# Altium PCB MIC.PcbDoc
Units mil, origin at the board's own origin, x right, y up, seen from the top; angles counter-clockwise.
Board outline 3700.69 x 3925.26 mil, 2 copper layers (Top Layer, Bottom Layer); 43 components, 43 nets, 184 pads, 288 vias.
Unrouted connection lines stored in the file: 18.
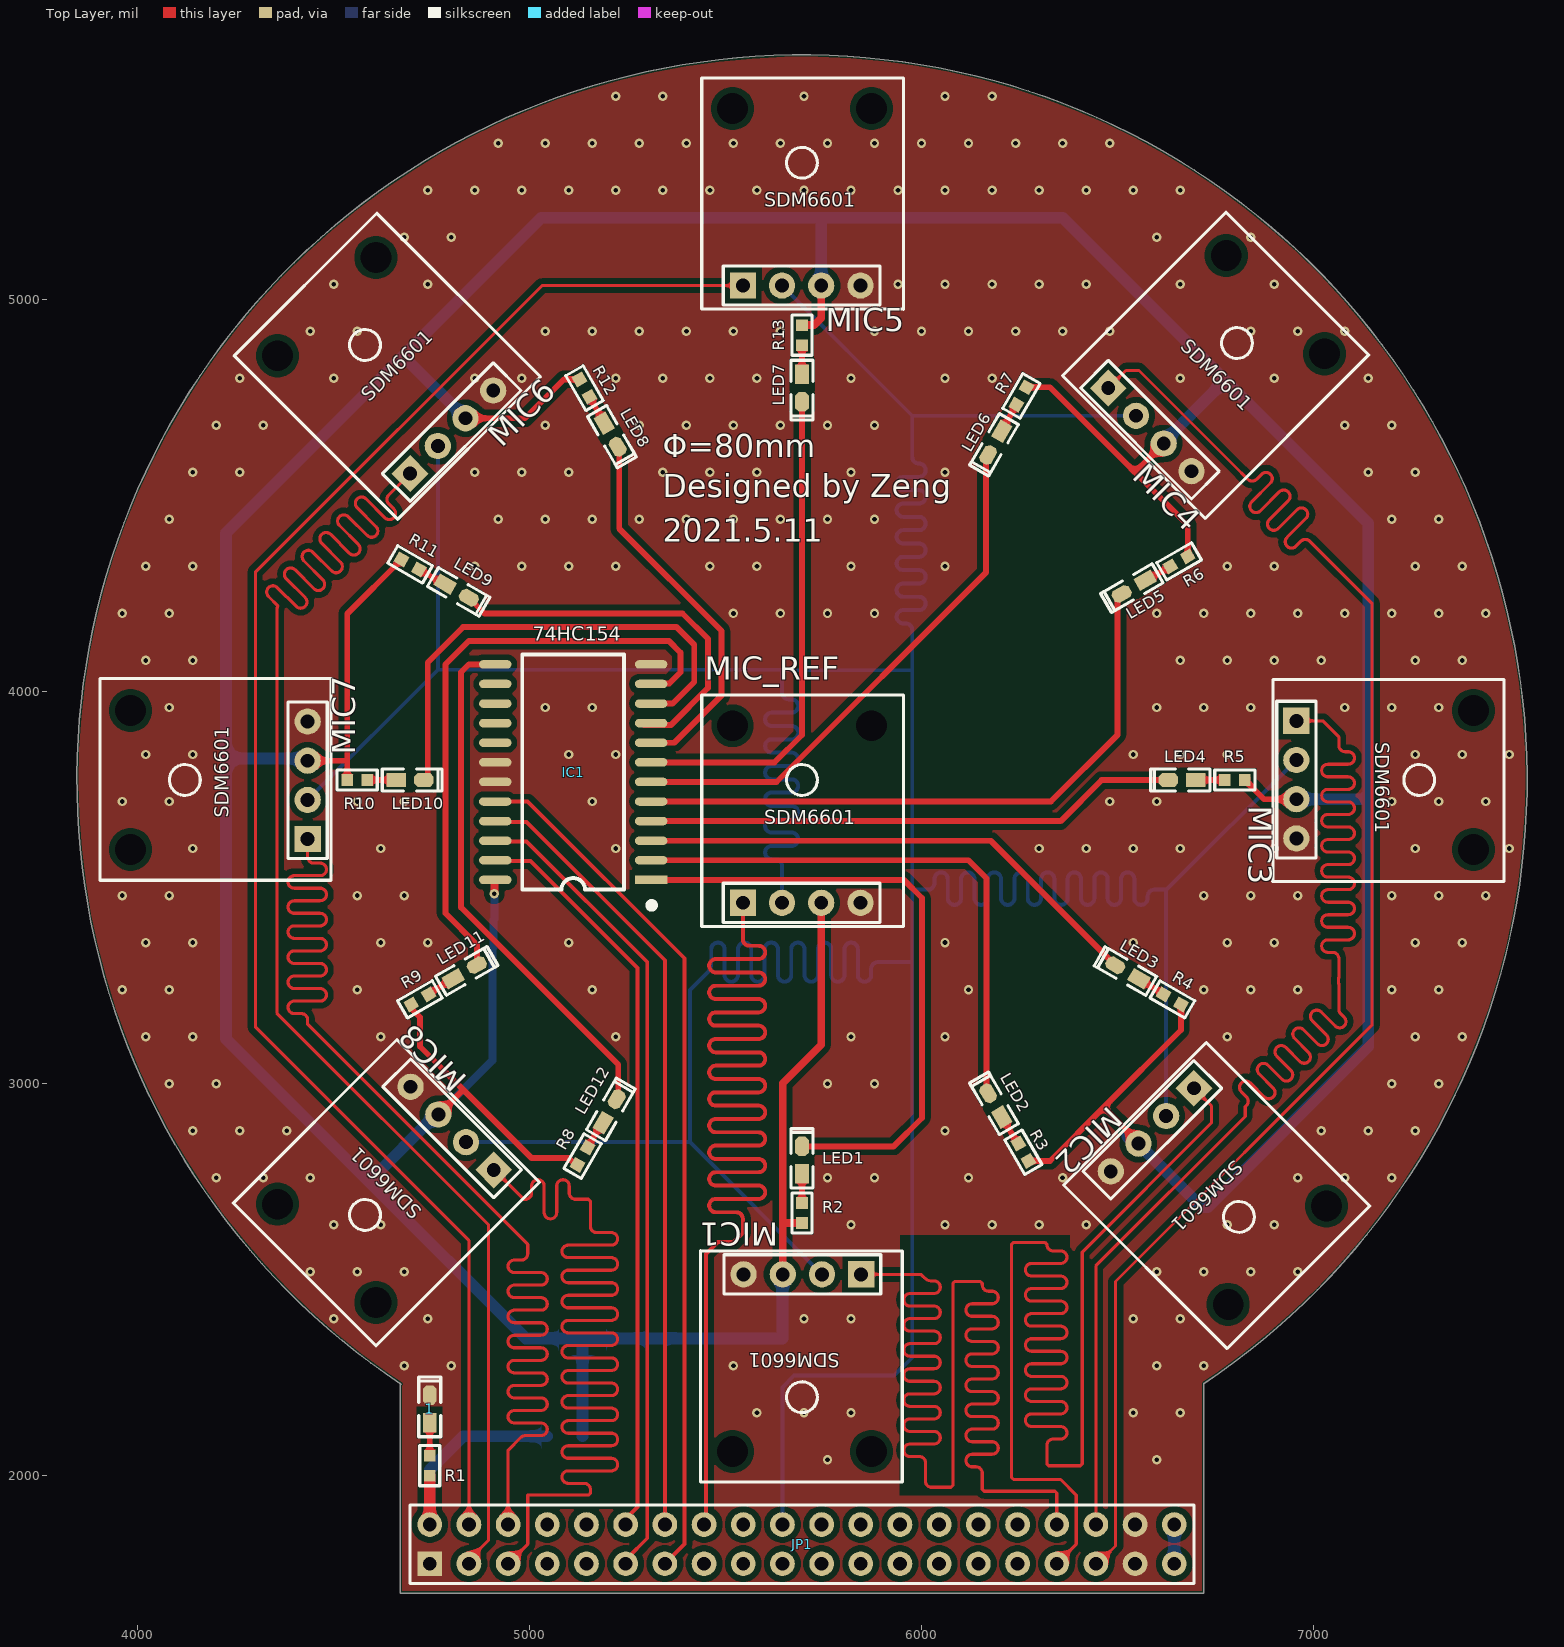
[diagram p0: Top Layer view]
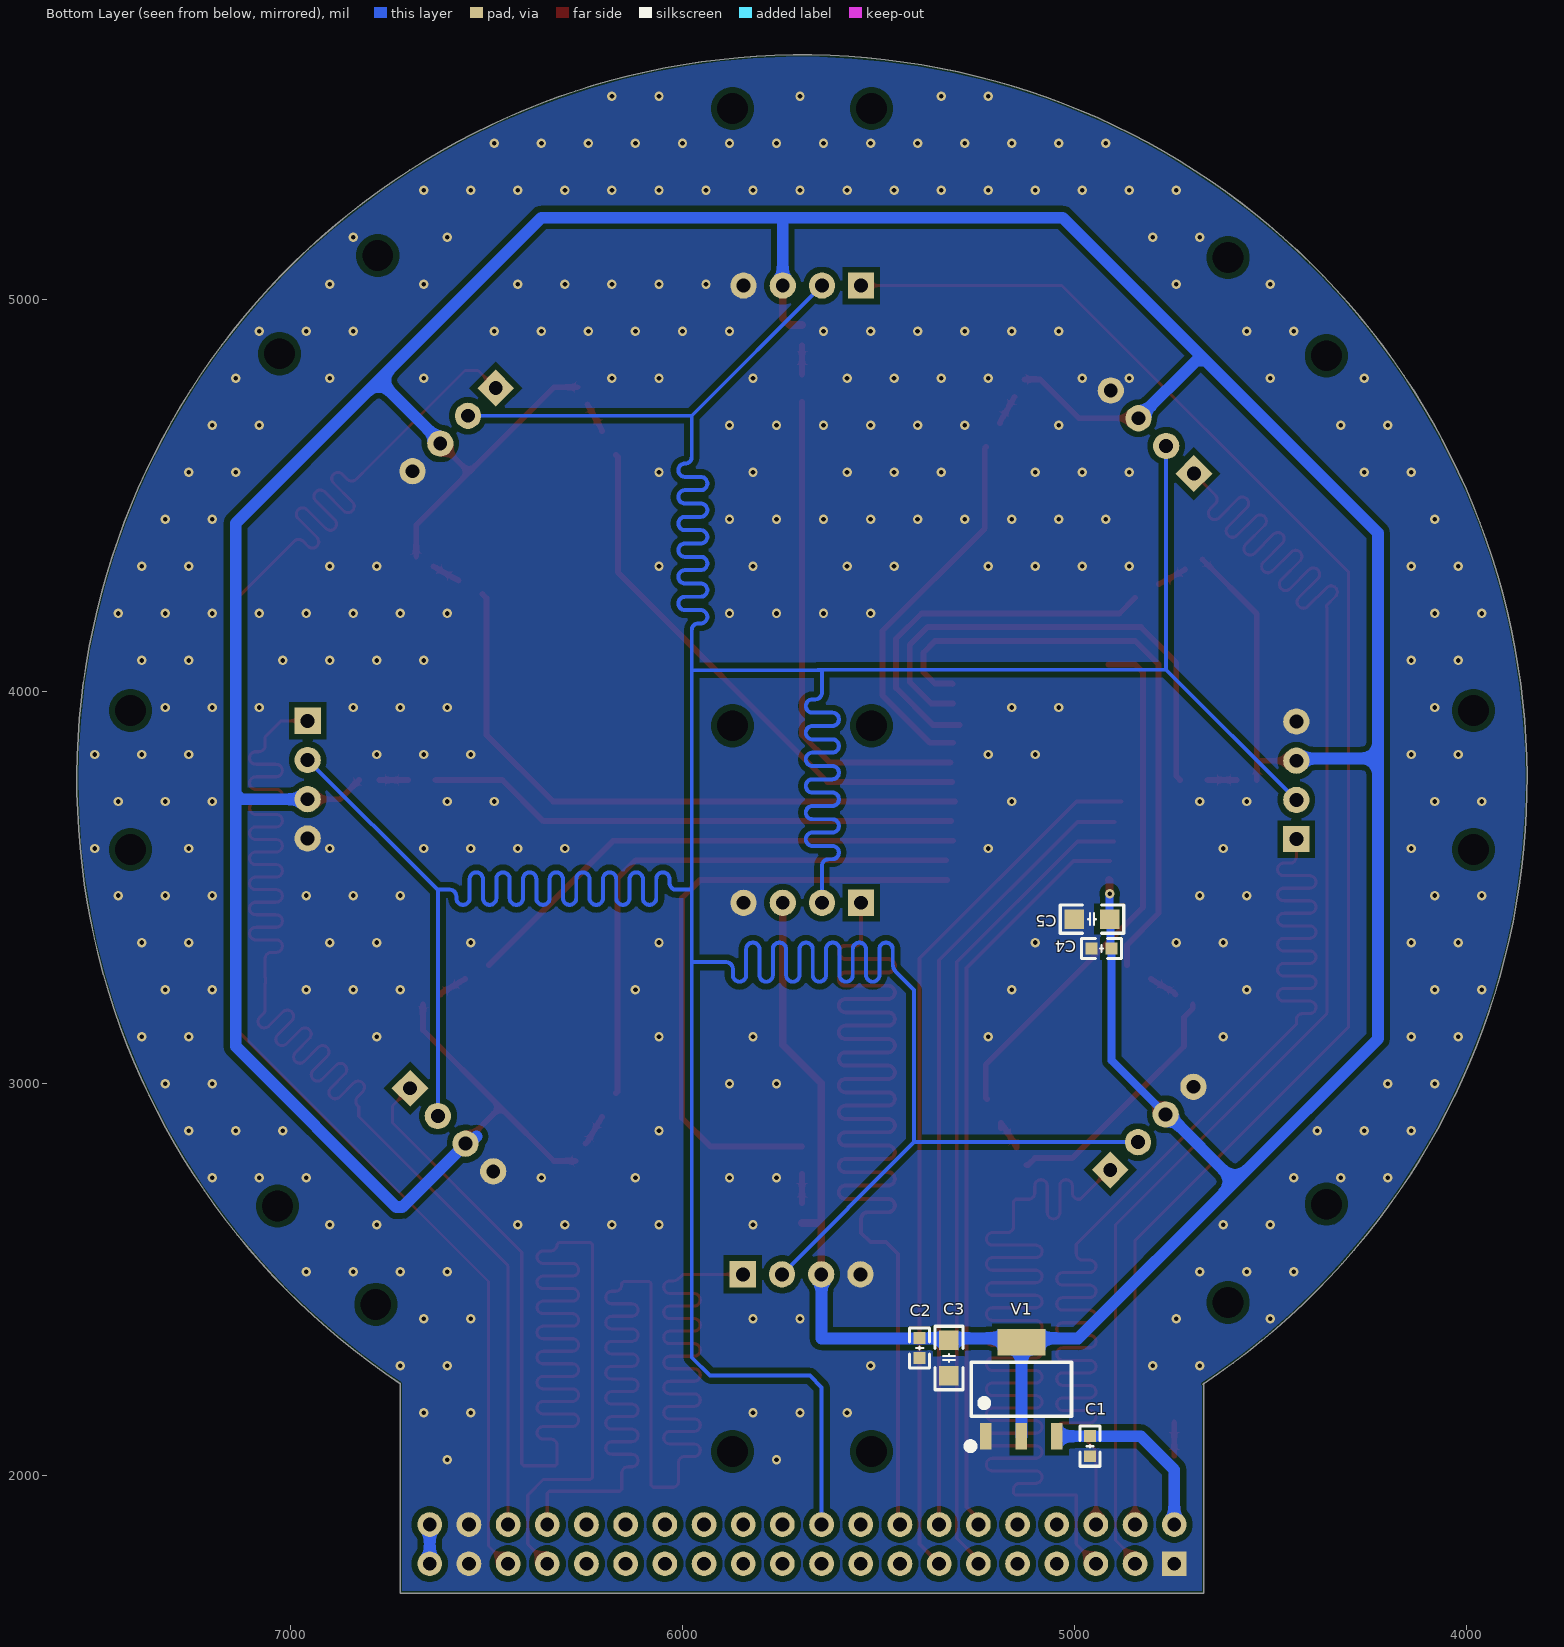
[diagram p1: Bottom Layer view, seen from below]

## Layer stack, top to bottom
Top Solder: solder mask 0.4, Solder Resist, Dk 3.5
Top Layer: signal copper 1.4
Dielectric 1: dielectric 12.6, FR-4, Dk 4.8
Bottom Layer: signal copper 1.4
Bottom Solder: solder mask 0.4, Solder Resist, Dk 3.5

## Board outline
4670,1700 6720,1700 6720,2235 6720.26,2234.61 ccw(c5695,3775) 4672.08,2233.06 4670,2235

## Design rules (kind name [scope] priority, off if disabled: settings)
BoardOutlineClearance [All] p1: gap=5 ignorepadtopadclearanceinfootprint=FALSE
Clearance Clearance_2 [InNamedPolygon('24V_L02_P042')] p1: gap=20 ignorepadtopadclearanceinfootprint=FALSE
Clearance Clearance_1 [InNamedPolygon('24V_L02_P042')] p2: gap=10 ignorepadtopadclearanceinfootprint=FALSE except(0: Arc-Hole Track-Hole SMDPad-Hole THPad-Hole Via-Hole Fill-Hole Poly-Hole Region-Hole Text-Hole)
Clearance Clearance_keepoutlayer [(InLayerClass('Signal Layers')) vs (OnLayer('Keep-Out Layer'))] p3: gap=10 ignorepadtopadclearanceinfootprint=FALSE
Clearance Clearance_inpolygon [InPolygon] p4: gap=15 ignorepadtopadclearanceinfootprint=FALSE
Clearance [All] p5: gap=5.5 ignorepadtopadclearanceinfootprint=FALSE
ComponentClearance [All] p1: gap=0 collisioncheckmode=3 verticalgap=0 showdistances=FALSE
HoleSize [All] p1: absolutevalues=TRUE maxlimit=1000 minlimit=1 maxpercent=80.000 minpercent=20.000
HoleToHoleClearance [All] p1: gap=6 allowstackedmicrovias=TRUE
MinimumSolderMaskSliver [All] p1: minsoldermaskwidth=0
PlaneClearance [All] p1: clearance=6
PlaneConnect [All] p1: planeconnectstyle=Direct reliefexpansion=20 reliefentries=4 reliefconductorwidth=10 reliefairgap=10
PolygonConnect [All] p1: connectstyle=Direct reliefconductorwidth=10 reliefentries=4 polygonreliefangle="90 Angle" airgapwidth=10
RoutingVias [All] p1: holewidth=12 width=24 viastyle="Through Hole" minholewidth=11 minwidth=22 maxholewidth=24 maxwidth=40
SilkToSilkClearance [All] p1: silktosilkclearance=1
SilkToSolderMaskClearance [IsPad] p1: minsilkscreentomaskgap=0 clearancetoexposedcopper=TRUE
SolderMaskExpansion [All] p1: expansion=4 istentingtop=FALSE
Width Width_GND [InNet('GND')] p1: maxlimit=100 minlimit=10 preferedwidth=30
Width Width_power [InNetClass('pwr')] p2: maxlimit=100 minlimit=10 preferedwidth=20
Width [All] p3: maxlimit=100 minlimit=6 preferedwidth=10
22 further rules are at their usual default settings.

## Components (designator, comment, footprint, x,y, rotation, side; value= is the part's Value field where it differs from the comment)
1 "蓝色" "LED 0603B" 4745.26,2170 r90 top
C1 "104" "C 0603_L" 4960,2075 r270 bottom
C2 "104" "C 0603_L" 5395,2325.59 r270 bottom
C3 "106" "C 0805_M" 5320,2300 r270 bottom
C4 "104" "C 0603_L" 4930.59,3345 r0 bottom
C5 "106" "C 0805_M" 4955,3420 r0 bottom
IC1 "74HC154" SOP24_N 5111.18,3795 r180 top
JP1 "Header 2X11" HDR2.54-LI-2x20P 5695,1825 r0 top
LED1 "蓝色" "LED 0603B" 5695.26,2805 r90 top
LED2 "蓝色" "LED 0603B" 6187.72,2945.43 r120 top
LED3 "蓝色" "LED 0603B" 6524.82,3285 r150 top
LED4 "蓝色" "LED 0603B" 6665,3775 r180 top
LED5 "蓝色" "LED 0603B" 6540.87,4267.13 r210 top
LED6 "蓝色" "LED 0603B" 6187.28,4634.82 r240 top
LED7 "蓝色" "LED 0603B" 5694.74,4775 r270 top
LED8 "蓝色" "LED 0603B" 5207.28,4655.19 r300 top
LED9 "蓝色" "LED 0603B" 4814.56,4257.28 r330 top
LED10 "蓝色" "LED 0603B" 4695,3774.74 r0 top
LED11 "蓝色" "LED 0603B" 4835.18,3285 r30 top
LED12 "蓝色" "LED 0603B" 5205,2930 r60 top
MIC1 "mic" SDM6601 5695,2200 r180 top
MIC2 "mic" SDM6601 6810,2660 r225 top
MIC3 "mic" SDM6601 7270,3775 r270 top
MIC4 "mic" SDM6601 6805,4890 r315 top
MIC5 "mic" SDM6601 5695,5350 r0 top
MIC6 "mic" SDM6601 4580,4885 r45 top
MIC7 "mic" SDM6601 4120,3775 r90 top
MIC8 "mic" SDM6601 4580,2665 r135 top
MIC_REF "mic" SDM6601 5695,3775 r0 top
R1 "1K" "R 0603_L" 4745,2025 r90 top
R2 "1K" "R 0603_L" 5695,2670 r90 top
R3 "1K" "R 0603_L" 6260,2825 r120 top
R4 "1K" "R 0603_L" 6640,3215 r150 top
R5 "1K" "R 0603_L" 6799.41,3775 r180 top
R6 "1K" "R 0603_L" 6657.16,4332.8 r210 top
R7 "1K" "R 0603_L" 6255,4755 r240 top
R8 "1K" "R 0603_L" 5135,2815 r60 top
R9 "1K" "R 0603_L" 4720,3215 r30 top
R10 "1K" "R 0603_L" 4560,3775 r0 top
R11 "1K" "R 0603_L" 4695,4325 r330 top
R12 "1K" "R 0603_L" 5140,4775 r300 top
R13 "1K" "R 0603_L" 5695,4910 r270 top
V1 "AMS1117-3V3" SOT223_L 5135,2220 r180 bottom

## Footprints (in the part's own frame and the unit in brackets; to place one, negate y for a bottom-side part, rotate by r counter-clockwise, add the part's x,y. Pads: shape width x height; smd on the part's side, far side on the other; paste and mask are expansions set on the pad)
"C 0603_L" [mil] "无极性贴片电容"
  rect 30x30 smd: 1(-25.59,0) 2(25.59,0)
  silkscreen extent -51,-26 51,26, body extent -31,-16 31,16, height 32
"C 0805_M" [mil] "无极性贴片电容"
  rect 50x50 smd: 1(-45,0) 2(45,0)
  silkscreen extent -81,-36 81,36, body extent -39,-24 39,24, height 20
HDR2.54-LI-2x20P [mm] "双排排针，20x2脚"
  rect 1.6x1.6 hole 0.9: 1(-24.13,-1.27)
  round 1.6 hole 0.9: 2(-24.13,1.27) 3(-21.59,-1.27) 4(-21.59,1.27) 5(-19.05,-1.27) 6(-19.05,1.27) 7(-16.51,-1.27) 8(-16.51,1.27) 9(-13.97,-1.27) 10(-13.97,1.27) 11(-11.43,-1.27) 12(-11.43,1.27) 13(-8.89,-1.27) 14(-8.89,1.27) 15(-6.35,-1.27) 16(-6.35,1.27) 17(-3.81,-1.27) 18(-3.81,1.27) 19(-1.27,-1.27) 20(-1.27,1.27) 21(1.27,-1.27) 22(1.27,1.27) 23(3.81,-1.27) 24(3.81,1.27) 25(6.35,-1.27) 26(6.35,1.27) 27(8.89,-1.27) 28(8.89,1.27) 29(11.43,-1.27) 30(11.43,1.27) 31(13.97,-1.27) 32(13.97,1.27) 33(16.51,-1.27) 34(16.51,1.27) 35(19.05,-1.27) 36(19.05,1.27) 37(21.59,-1.27) 38(21.59,1.27) 39(24.13,-1.27) 40(24.13,1.27)
  silkscreen extent -25.4,-2.54 25.4,2.54, body extent -25.4,-2.54 25.4,2.54, height 8.5
"LED 0603B" [mil] "蓝色0603LED"
  rect 50x35 smd: 1(-35,0.26)
  oct 50x35 smd: 2(35,0.26)
  silkscreen extent -71,-28 81,28, body extent -31,-16 32,16, height 24
"R 0603_L" [mil] "1/10W贴片电阻"
  rect 30x30 smd: 1(-25.59,0) 2(25.59,0)
  silkscreen extent -51,-26 51,26, body extent -31,-16 32,16, height 16
SDM6601 [mm]
  round 1 hole 2: 0(-4.5,3.514) 0(4.5,3.514)
  rect 1.7x1.7 hole 0.9: 1(-3.833,-7.962)
  round 1.7 hole 0.9: 2(-1.293,-7.962) 3(1.247,-7.962) 4(3.787,-7.962)
  silkscreen extent -6.5,-9.5 6.58,5.5
SOP24_N [mm] "15.4*10.6*2.6mm（长宽高）"
  rect 2.1x0.55 smd: 1(-5.05,6.985)
  oval 2.1x0.55 smd: 2(-5.05,5.715) 3(-5.05,4.445) 4(-5.05,3.175) 5(-5.05,1.905) 6(-5.05,0.635) 7(-5.05,-0.635) 8(-5.05,-1.905) 9(-5.05,-3.175) 10(-5.05,-4.445) 11(-5.05,-5.715) 12(-5.05,-6.985) 13(5.05,-6.985) 14(5.05,-5.715) 15(5.05,-4.445) 16(5.05,-3.175) 17(5.05,-1.905) 18(5.05,-0.635) 19(5.05,0.635) 20(5.05,1.905) 21(5.05,3.175) 22(5.05,4.445) 23(5.05,5.715) 24(5.05,6.985)
  silkscreen extent -5.23,-7.62 3.3,8.79, body extent -5.15,-7.7 5.15,7.7, height 2.7
SOT223_L [mm] "6.4x7x1.6mm(长宽高)"
  rect 0.75x1.7 smd: 1(-2.3,-3.048) 2(0,-3.048) 3(2.3,-3.048)
  rect 3.1x1.7 smd: 2(0,3.048)
  silkscreen extent -3.5,-3.88 3.25,1.75, body extent -3.25,-3.51 3.25,3.51, height 1.65

## Part data
1 LED1 LED2 LED3 LED4 LED5 LED6 LED7 LED8 LED9 LED10 LED11 LED12: library part LED-SMD, "贴片LED", BOM名称=贴片LED, 学习资源=www.ooocke.com, 版权归属=源创客
C1 C2 C3 C4 C5: library part C, "无极性贴片电容", BOM名称=无极性贴片电容, 学习资源=www.ooocke.com, 版权归属=源创客
IC1: "4线转16线译码器", BOM名称=4线转16线译码器, 学习资源=www.ooocke.com, 版权归属=源创客
JP1: library part "Header 20X2", "20*2P接插件", BOM名称=20*2P接插件, 学习资源=www.ooocke.com, 版权归属=源创客
MIC1 MIC2 MIC3 MIC4 MIC5 MIC6 MIC7 MIC8 MIC_REF: library part SDM6601P
R1 R2 R3 R4 R5 R6 R7 R8 R9 R10 R11 R12 R13: library part R, "贴片电阻", BOM名称=贴片电阻, 学习资源=www.ooocke.com, 版权归属=源创客
V1: library part AMS1117, "三端稳压芯片", BOM名称=稳压芯片, 学习资源=www.ooocke.com, 版权归属=源创客

## Via types
v1: diameter 24, hole 12, Top Layer to Bottom Layer, tented both sides, 287 vias
v2: diameter 24, hole 12, Top Layer to Bottom Layer, 1 vias

## Nets (pads, with @x,y where several pads share a name; then routed paths per layer and width w, separated by ;. In a path a pad name is that pad's centre, name@x,y a point inside that pad or via, vN(x,y) a via of type N, cw(c..) or ccw(c..) an arc to the next point about the centre after c; other vN are vias at no path point)
3V3: C2.1 C3.1 C4.1 C5.1 IC1.24 MIC1.3 MIC2.3 MIC3.3 MIC4.3 MIC5.3 MIC6.3 MIC7.3 MIC8.3 MIC_REF.3 R2.1 R3.1 R4.1 R5.1 R6.1 R7.1 R8.1 R9.1 R10.1 R11.1 R12.1 R13.1 V1.2 | length 15716.3
  Top Layer w15: MIC7.3 4530,3824.09 ; R10.1 4534.41,4199.37 R11.1 ; R9.1 4697.84,3191.59 4720,3169.43 4720,3095 4830.28,2984.72 ; MIC8.3 4830.28,2984.72 ; MIC6.3 4988.06,4698.06 5087.16,4797.16 R12.1 ; R8.1 5117.6,2792.83 5100.43,2810 5005,2810 4830.28,2984.72 ; R7.1 6327.83,4777.17 6544.71,4560.29 ; R3.1 6327.84,2802.84 6465,2940 ; MIC2.3@6553.63,2851.37 6465,2940 ; MIC4.3 6544.71,4560.29 ; R4.1 6662.17,3137.17 6465,2940 ; R6.1 6679.33,4425.67 6544.71,4560.29 ; R5.1 6874.09,3725.91 6954.72,3725.91 6955.63,3725 MIC3.3
  Top Layer w20: v2(4910,3485) 4910,3519.24 4910.76,3520 IC1.24@4911.95,3520 ; MIC1.3 5645.91,2645 ; R2.1 5646.5,2644.41 5645.91,2645 ; R13.1 5725.59,4935.59 5744.09,4954.09 MIC5.3 ; MIC_REF.3 5744.09,3099.09 5645.91,3000.91 5645.91,2645
  Top Layer w30: MIC2.3 MIC2.3@6553.63,2851.37
  Bottom Layer w20: MIC8.3 4905,3059.43 C4.1 ; C4.1@4907.5,3347.5 4907.5,3417.5 C5.1 v2(4910,3485)
  Bottom Layer w30: MIC7.3 4427.56,3830 4225,3830 ; MIC8.3 4761.37,2921.37 4590,2750 ; MIC6.3 4689.43,4845 4665,4845 ; V1.2@5135,2100 5135,2340 V1.2@5135,2345 ; MIC1.3 5645,2512.56 5645,2350 4990,2350 4590,2750 ; MIC5.3 5744.09,5200.91 5735,5210 ; MIC2.3@6525.58,2865 6543.64,2846.94 MIC2.3 6715.57,2685 6730,2685 7140,3095 7140,3740 ; MIC4.3 6618.06,4638.06 6775,4795 ; MIC3.3 7125.91,3725.91 7140,3740 ; 4225,3830 4225,4405 4665,4845 ; 4225,3830 4225,3115 4590,2750 ; 4665,4845 5030,5210 5735,5210 ; 5735,5210 6360,5210 6775,4795 ; 6775,4795 7140,4430 7140,3740
3V3_I: JP1.39 JP1.40 | length 100
  Bottom Layer w30: JP1.39 JP1.40
5V: C1.1 JP1.2 R1.1 V1.3 | length 594.2
  Top Layer w30: JP1.2 R1.1
  Bottom Layer w30: JP1.2 4750,1880 4745,1885 4745,2015 4830,2100 4935.6,2100 ; 4944.41,2100 V1.3@5044.21,2100
A0: IC1.23 JP1.12 | length 1903.8
  Top Layer w10: IC1.23@4908.4,3567.77 5002.23,3567.77 5275,3295 5275,1919.34 JP1.12@5240.66,1885
A1: IC1.22 JP1.11 | length 2070.1
  Top Layer w10: IC1.22@4898.13,3617.77 4992.23,3617.77 5300,3310 5300,1894.25 5300,1840 JP1.11@5250,1790
A2: IC1.21 JP1.14 | length 2033.3
  Top Layer w10: IC1.21@4897.81,3667.8 4992.2,3667.8 5345,3315 JP1.14
A3: IC1.20 JP1.13 | length 2247.1
  Top Layer w10: IC1.20@4879.27,3720 4995,3720 5395,3320 5395,1825 JP1.13
CLK: JP1.20 MIC1.2 MIC2.2 MIC3.2 MIC4.2 MIC5.2 MIC6.2 MIC7.2 MIC8.2 MIC_REF.2 | length 14370.1
  Bottom Layer w10: MIC7.2 4765.66,4056.29 ; MIC6.2 4765.66,4056.29 ; MIC8.2 5408.71,2850.66 ; MIC_REF.2 5644.09,3550.72 5644.09,3555.72 ccw(c5627.09,3555.72) 5627.09,3572.72 5617.88,3572.72 cw(c5617.88,3589.72) 5617.88,3606.72 5668.45,3606.72 ccw(c5668.45,3623.72) 5668.45,3640.72 5617.88,3640.72 cw(c5617.88,3657.72) 5617.88,3674.72 5668.45,3674.72 ccw(c5668.45,3691.72) 5668.45,3708.72 5617.88,3708.72 cw(c5617.88,3725.72) 5617.88,3742.72 5668.45,3742.72 ccw(c5668.45,3759.72) 5668.45,3776.72 5617.88,3776.72 cw(c5617.88,3793.72) 5617.88,3810.72 5668.45,3810.72 ccw(c5668.45,3827.72) 5668.45,3844.72 5617.88,3844.72 cw(c5617.88,3861.72) 5617.88,3878.72 5668.45,3878.72 ccw(c5668.45,3895.72) 5668.45,3912.72 5617.88,3912.72 cw(c5617.88,3929.72) 5617.88,3946.72 5668.45,3946.72 ccw(c5668.45,3963.72) 5668.45,3980.72 5661.09,3980.72 cw(c5661.09,3997.72) 5644.09,3997.72 5644.09,4021.17 5644.09,4055 5655,4055 ; MIC5.2 5976.29,4704.34 ; JP1.20 5645,2225 5675,2255 5930,2255 5976.29,2301.29 5976.29,3310 ; MIC1.2 5408.71,2850.66 ; MIC4.2 5976.29,4704.34 ; MIC2.2 6624.34,3493.71 6625.63,3495 ; MIC3.2 6625.63,3495 ; 4765.66,4056.29 5653.71,4056.29 5655,4055 ; 5408.71,2850.66 5408.71,3238.71 5450,3280 5455,3285 ccw(c5434.48,3305.52) 5463.5,3305.52 5463.5,3343 cw(c5480.5,3343) 5497.5,3343 5497.5,3277 ccw(c5514.5,3277) 5531.5,3277 5531.5,3343 cw(c5548.5,3343) 5565.5,3343 5565.5,3277 ccw(c5582.5,3277) 5599.5,3277 5599.5,3343 cw(c5616.5,3343) 5633.5,3343 5633.5,3277 ccw(c5650.5,3277) 5667.5,3277 5667.5,3343 cw(c5684.5,3343) 5701.5,3343 5701.5,3277 ccw(c5718.5,3277) 5735.5,3277 5735.5,3343 cw(c5752.5,3343) 5769.5,3343 5769.5,3277 ccw(c5786.5,3277) 5803.5,3277 5803.5,3343 cw(c5820.5,3343) 5837.5,3343 5837.5,3277 ccw(c5854.5,3277) 5871.5,3277 5871.5,3293 cw(c5888.5,3293) 5888.5,3310 5925,3310 5976.29,3310 ; 5655,4055 5975,4055 5976.29,4056.29 ; 5976.29,3310 5976.29,3495 ; 5976.29,3495 6011.03,3495 6016.03,3495 ccw(c6016.03,3512) 6033.03,3512 6033.03,3522.1 cw(c6050.03,3522.1) 6067.03,3522.1 6067.03,3473.29 ccw(c6084.03,3473.29) 6101.03,3473.29 6101.03,3522.1 cw(c6118.03,3522.1) 6135.03,3522.1 6135.03,3473.29 ccw(c6152.03,3473.29) 6169.03,3473.29 6169.03,3522.1 cw(c6186.03,3522.1) 6203.03,3522.1 6203.03,3473.29 ccw(c6220.03,3473.29) 6237.03,3473.29 6237.03,3522.1 cw(c6254.03,3522.1) 6271.03,3522.1 6271.03,3473.29 ccw(c6288.03,3473.29) 6305.03,3473.29 6305.03,3522.1 cw(c6322.03,3522.1) 6339.03,3522.1 6339.03,3473.29 ccw(c6356.03,3473.29) 6373.03,3473.29 6373.03,3522.1 cw(c6390.03,3522.1) 6407.03,3522.1 6407.03,3473.29 ccw(c6424.03,3473.29) 6441.03,3473.29 6441.03,3522.1 cw(c6458.03,3522.1) 6475.03,3522.1 6475.03,3473.29 ccw(c6492.03,3473.29) 6509.03,3473.29 6509.03,3522.1 cw(c6526.03,3522.1) 6543.03,3522.1 6543.03,3473.29 ccw(c6560.03,3473.29) 6577.03,3473.29 6577.03,3478 cw(c6594.03,3478) 6594.03,3495 6625,3495 6625.63,3495 ; 5976.29,3495 5976.29,4056.29 ; 5976.29,4056.29 5976.29,4152.45 5976.29,4157.45 ccw(c5959.29,4157.45) 5959.29,4174.45 5953.52,4174.45 cw(c5953.52,4191.45) 5953.52,4208.45 5993.66,4208.45 ccw(c5993.66,4225.45) 5993.66,4242.45 5953.52,4242.45 cw(c5953.52,4259.45) 5953.52,4276.45 5993.66,4276.45 ccw(c5993.66,4293.45) 5993.66,4310.45 5953.52,4310.45 cw(c5953.52,4327.45) 5953.52,4344.45 5993.66,4344.45 ccw(c5993.66,4361.45) 5993.66,4378.45 5953.52,4378.45 cw(c5953.52,4395.45) 5953.52,4412.45 5993.66,4412.45 ccw(c5993.66,4429.45) 5993.66,4446.45 5953.52,4446.45 cw(c5953.52,4463.45) 5953.52,4480.45 5993.66,4480.45 ccw(c5993.66,4497.45) 5993.66,4514.45 5953.52,4514.45 cw(c5953.52,4531.45) 5953.52,4548.45 5993.66,4548.45 ccw(c5993.66,4565.45) 5993.66,4582.45 5993.29,4582.45 cw(c5993.29,4599.45) 5976.29,4599.45 5976.29,4645.94 5976.29,4704.34
DATA1: JP1.34 MIC1.1 | length 4217.9
  Top Layer w8: MIC1.1 5998.46,2513.46 6003.44,2508.49 6007.44,2504.49 ccw(c6026.75,2523.8) 6026.75,2496.49 6031.95,2496.49 cw(c6031.95,2480.49) 6031.95,2464.49 5970.52,2464.49 ccw(c5970.52,2448.49) 5970.52,2432.49 6031.95,2432.49 cw(c6031.95,2416.49) 6031.95,2400.49 5970.52,2400.49 ccw(c5970.52,2384.49) 5970.52,2368.49 6031.95,2368.49 cw(c6031.95,2352.49) 6031.95,2336.49 5970.52,2336.49 ccw(c5970.52,2320.49) 5970.52,2304.49 6031.95,2304.49 cw(c6031.95,2288.49) 6031.95,2272.49 5970.52,2272.49 ccw(c5970.52,2256.49) 5970.52,2240.49 6031.95,2240.49 cw(c6031.95,2224.49) 6031.95,2208.49 5970.52,2208.49 ccw(c5970.52,2192.49) 5970.52,2176.49 6031.95,2176.49 cw(c6031.95,2160.49) 6031.95,2144.49 5970.52,2144.49 ccw(c5970.52,2128.49) 5970.52,2112.49 6031.95,2112.49 cw(c6031.95,2096.49) 6031.95,2080.49 5970.52,2080.49 ccw(c5970.52,2064.49) 5970.52,2048.49 5994.18,2048.49 cw(c5994.18,2032.49) 6010.18,2032.49 6010.18,1985 ccw(c6025.18,1985) 6010.8,1980.72 ccw(c6025.18,1985) 6025.18,1970 6075.31,1970 6080,1974.69 6080,2490.31 6084.69,2495 6150.31,2495 6155,2490.31 6155,2486.31 ccw(c6171,2486.31) 6171,2470.31 6179.9,2470.31 cw(c6179.9,2454.31) 6179.9,2438.31 6129.14,2438.31 ccw(c6129.14,2422.31) 6129.14,2406.31 6179.9,2406.31 cw(c6179.9,2390.31) 6179.9,2374.31 6129.14,2374.31 ccw(c6129.14,2358.31) 6129.14,2342.31 6179.9,2342.31 cw(c6179.9,2326.31) 6179.9,2310.31 6129.14,2310.31 ccw(c6129.14,2294.31) 6129.14,2278.31 6179.9,2278.31 cw(c6179.9,2262.31) 6179.9,2246.31 6129.14,2246.31 ccw(c6129.14,2230.31) 6129.14,2214.31 6179.9,2214.31 cw(c6179.9,2198.31) 6179.9,2182.31 6129.14,2182.31 ccw(c6129.14,2166.31) 6129.14,2150.31 6179.9,2150.31 cw(c6179.9,2134.31) 6179.9,2118.31 6129.14,2118.31 ccw(c6129.14,2102.31) 6129.14,2086.31 6179.9,2086.31 cw(c6179.9,2070.31) 6179.9,2054.31 6129.14,2054.31 ccw(c6129.14,2038.31) 6129.14,2022.31 6139,2022.31 cw(c6139,2006.31) 6155,2006.31 6155,1985 6155,1964.69 6159.69,1960 6340.31,1960 6345,1955.31 JP1.34
DATA2: JP1.33 MIC2.1 | length 4203.5
  Top Layer w8: JP1.33 6395,1825 6395,1950 6355,1990 6234.69,1990 6230,1994.69 6230,2590.31 6234.69,2595 6315.31,2595 6317.18,2593.13 6320,2590.31 6320,2589.13 ccw(c6336,2589.13) 6336,2573.13 6355,2573.13 cw(c6355,2557.13) 6355,2541.13 6281,2541.13 ccw(c6281,2525.13) 6281,2509.13 6355,2509.13 cw(c6355,2493.13) 6355,2477.13 6281,2477.13 ccw(c6281,2461.13) 6281,2445.13 6355,2445.13 cw(c6355,2429.13) 6355,2413.13 6281,2413.13 ccw(c6281,2397.13) 6281,2381.13 6355,2381.13 cw(c6355,2365.13) 6355,2349.13 6281,2349.13 ccw(c6281,2333.13) 6281,2317.13 6355,2317.13 cw(c6355,2301.13) 6355,2285.13 6281,2285.13 ccw(c6281,2269.13) 6281,2253.13 6355,2253.13 cw(c6355,2237.13) 6355,2221.13 6281,2221.13 ccw(c6281,2205.13) 6281,2189.13 6355,2189.13 cw(c6355,2173.13) 6355,2157.13 6281,2157.13 ccw(c6281,2141.13) 6281,2125.13 6355,2125.13 cw(c6355,2109.13) 6355,2093.13 6336,2093.13 ccw(c6336,2077.13) 6320,2077.13 6320,2030 6320,2029.69 6324.69,2025 6405.31,2025 6410,2029.69 6410,2570 6740,2900 6740,2943.41 MIC2.1
DATA3: JP1.36 MIC3.1 | length 4181.7
  Top Layer w8: JP1.36 6445,2535 6826.16,2916.16 6826.16,2941.16 6828.99,2943.99 ccw(c6817.67,2955.3) 6828.99,2966.62 6816.26,2979.34 cw(c6827.57,2990.66) 6816.26,3001.97 cw(c6827.57,2990.66) 6838.89,3001.97 6874.74,2966.12 ccw(c6886.06,2977.43) 6897.37,2966.12 ccw(c6886.06,2977.43) 6897.37,2988.74 6861.52,3024.6 cw(c6872.83,3035.91) 6861.52,3047.23 cw(c6872.83,3035.91) 6884.14,3047.23 6920,3011.37 ccw(c6931.31,3022.68) 6942.63,3011.37 ccw(c6931.31,3022.68) 6942.63,3034 6906.77,3069.85 cw(c6918.08,3081.17) 6906.77,3092.48 cw(c6918.08,3081.17) 6929.4,3092.48 6965.25,3056.63 ccw(c6976.57,3067.94) 6987.88,3056.63 ccw(c6976.57,3067.94) 6987.88,3079.25 6952.02,3115.11 cw(c6963.34,3126.42) 6952.02,3137.74 cw(c6963.34,3126.42) 6974.65,3137.74 7010.51,3101.88 ccw(c7021.82,3113.19) 7033.14,3101.88 ccw(c7021.82,3113.19) 7033.14,3124.51 6997.28,3160.36 cw(c7008.59,3171.68) 6997.28,3182.99 cw(c7008.59,3171.68) 7019.91,3182.99 7055.76,3147.14 ccw(c7067.08,3158.45) 7078.39,3147.14 ccw(c7067.08,3158.45) 7078.39,3169.76 7069.69,3178.47 cw(c7081,3189.78) 7065,3189.78 7065,3250.66 7065,3255 7063.85,3256.15 7063.85,3268.85 7065,3270 7065,3270.21 7065,3319.07 ccw(c7049,3319.07) 7049,3335.07 7037.04,3335.07 cw(c7037.04,3351.07) 7037.04,3367.07 7088.7,3367.07 ccw(c7088.7,3383.07) 7088.7,3399.07 7037.04,3399.07 cw(c7037.04,3415.07) 7037.04,3431.07 7088.7,3431.07 ccw(c7088.7,3447.07) 7088.7,3463.07 7037.04,3463.07 cw(c7037.04,3479.07) 7037.04,3495.07 7088.7,3495.07 ccw(c7088.7,3511.07) 7088.7,3527.07 7037.04,3527.07 cw(c7037.04,3543.07) 7037.04,3559.07 7088.7,3559.07 ccw(c7088.7,3575.07) 7088.7,3591.07 7037.04,3591.07 cw(c7037.04,3607.07) 7037.04,3623.07 7088.7,3623.07 ccw(c7088.7,3639.07) 7088.7,3655.07 7037.04,3655.07 cw(c7037.04,3671.07) 7037.04,3687.07 7088.7,3687.07 ccw(c7088.7,3703.07) 7088.7,3719.07 7037.04,3719.07 cw(c7037.04,3735.07) 7037.04,3751.07 7088.7,3751.07 ccw(c7088.7,3767.07) 7088.7,3783.07 7037.04,3783.07 cw(c7037.04,3799.07) 7037.04,3815.07 7088.7,3815.07 ccw(c7088.7,3831.07) 7088.7,3847.07 7081,3847.07 cw(c7081,3863.07) 7065,3863.07 7065,3867.07 7065,3885 7024.09,3925.91 MIC3.1
DATA4: JP1.35 MIC4.1 | length 4175.2
  Top Layer w8: JP1.35@6455,1780 6495,1820 6495,2495 7150,3150 7150,4225 6993.63,4381.37 6990.81,4384.19 ccw(c6979.49,4372.88) 6968.18,4384.19 6955.45,4371.47 cw(c6944.14,4382.78) 6932.82,4371.47 cw(c6944.14,4382.78) 6932.82,4394.09 6980.91,4442.18 ccw(c6969.59,4453.49) 6980.91,4464.8 ccw(c6969.59,4453.49) 6958.28,4464.8 6910.2,4416.72 cw(c6898.88,4428.04) 6887.57,4416.72 cw(c6898.88,4428.04) 6887.57,4439.35 6935.65,4487.43 ccw(c6924.34,4498.75) 6935.65,4510.06 ccw(c6924.34,4498.75) 6913.02,4510.06 6864.94,4461.98 cw(c6853.63,4473.29) 6842.31,4461.98 cw(c6853.63,4473.29) 6842.31,4484.6 6890.4,4532.69 ccw(c6879.08,4544) 6890.4,4555.31 ccw(c6879.08,4544) 6867.77,4555.31 6855.04,4542.59 cw(c6843.73,4553.9) 6832.41,4542.59 6797.5,4577.5 6555,4820 6521.59,4820 MIC4.1
DATA5: JP1.4 MIC5.1 | length 4204.2
  Top Layer w8: JP1.4@4845,1873.7 4845,2600 4300,3145 4300,4305 5031.54,5036.54 MIC5.1
DATA6: JP1.3 MIC6.1 | length 4184.5
  Top Layer w8: MIC6.1 4659.6,4521.3 4640.45,4502.14 ccw(c4651.76,4490.83) 4640.45,4479.52 4653.18,4466.79 cw(c4641.86,4455.48) 4653.18,4444.16 cw(c4641.86,4455.48) 4630.55,4444.16 4582.47,4492.24 ccw(c4571.15,4480.93) 4559.84,4492.24 ccw(c4571.15,4480.93) 4559.84,4469.62 4607.92,4421.53 cw(c4596.61,4410.22) 4607.92,4398.91 cw(c4596.61,4410.22) 4585.3,4398.91 4537.21,4446.99 ccw(c4525.9,4435.68) 4514.58,4446.99 ccw(c4525.9,4435.68) 4514.58,4424.36 4562.67,4376.28 cw(c4551.35,4364.97) 4562.67,4353.65 cw(c4551.35,4364.97) 4540.04,4353.65 4491.96,4401.73 ccw(c4480.64,4390.42) 4469.33,4401.74 ccw(c4480.64,4390.42) 4469.33,4379.11 4517.41,4331.02 cw(c4506.1,4319.71) 4517.41,4308.4 cw(c4506.1,4319.71) 4494.79,4308.4 4446.7,4356.48 ccw(c4435.39,4345.17) 4424.08,4356.48 ccw(c4435.39,4345.17) 4424.08,4333.85 4472.16,4285.77 cw(c4460.84,4274.46) 4472.16,4263.14 cw(c4460.84,4274.46) 4449.53,4263.14 4401.45,4311.23 ccw(c4390.13,4299.91) 4378.82,4311.23 ccw(c4390.13,4299.91) 4378.82,4288.6 4426.9,4240.51 cw(c4415.59,4229.2) 4426.9,4217.89 cw(c4415.59,4229.2) 4404.28,4217.89 4356.19,4265.97 ccw(c4344.88,4254.66) 4333.57,4265.97 ccw(c4344.88,4254.66) 4333.57,4243.34 4357.61,4219.3 ccw(c4382.1,4207.22) 4355,4210.6 4355,4204.94 4355,3180 4895,2640 4895,1835 JP1.3@4845,1785
DATA7: JP1.6 MIC7.1 | length 4209.9
  Top Layer w8: MIC7.1 4433.46,3603.96 4433.46,3578.76 ccw(c4449.46,3578.76) 4449.46,3562.76 4465.38,3562.76 cw(c4465.38,3546.76) 4465.38,3530.76 4399.51,3530.76 ccw(c4399.51,3514.76) 4399.51,3498.76 4465.38,3498.76 cw(c4465.38,3482.76) 4465.38,3466.76 4399.51,3466.76 ccw(c4399.51,3450.76) 4399.51,3434.76 4465.38,3434.76 cw(c4465.38,3418.76) 4465.38,3402.76 4399.51,3402.76 ccw(c4399.51,3386.76) 4399.51,3370.76 4465.38,3370.76 cw(c4465.38,3354.76) 4465.38,3338.76 4399.51,3338.76 ccw(c4399.51,3322.76) 4399.51,3306.76 4465.38,3306.76 cw(c4465.38,3290.76) 4465.38,3274.76 4399.51,3274.76 ccw(c4399.51,3258.76) 4399.51,3242.76 4465.38,3242.76 cw(c4465.38,3226.76) 4465.38,3210.76 4399.51,3210.76 ccw(c4399.51,3194.76) 4399.51,3178.76 4417.46,3178.76 cw(c4417.46,3162.76) 4433.46,3162.76 4433.46,3158.76 4433.46,3151.54 4995,2590 4995,2566 cw(c4979,2566) 4979,2550 4961,2550 ccw(c4961,2534) 4961,2518 5029,2518 cw(c5029,2502) 5029,2486 4961,2486 ccw(c4961,2470) 4961,2454 5029,2454 cw(c5029,2438) 5029,2422 4961,2422 ccw(c4961,2406) 4961,2390 5029,2390 cw(c5029,2374) 5029,2358 4961,2358 ccw(c4961,2342) 4961,2326 5029,2326 cw(c5029,2310) 5029,2294 4961,2294 ccw(c4961,2278) 4961,2262 5029,2262 cw(c5029,2246) 5029,2230 4961,2230 ccw(c4961,2214) 4961,2198 5029,2198 cw(c5029,2182) 5029,2166 4961,2166 ccw(c4961,2150) 4961,2134 5029,2134 cw(c5029,2118) 5029,2102 4989.26,2102 ccw(c4989.26,2086) 4977.94,2097.31 4945,2064.37 4945,2050 4945,1885 4950,1880 JP1.6
DATA8: JP1.5 MIC8.1 | length 4184.4
  Top Layer w8: MIC8.1 4910.05,2779.95 4985,2705 4989,2705 ccw(c4989,2721) 5005,2721 5005,2739 cw(c5021,2739) 5037,2739 5037,2671 ccw(c5053,2671) 5069,2671 5069,2739 cw(c5085,2739) 5101,2739 5101,2721 ccw(c5117,2721) 5117,2705 5144.49,2705 5150.31,2705 5155,2700.31 5155,2685 5155,2636 ccw(c5171,2636) 5171,2620 5208.68,2620 cw(c5208.68,2604) 5208.68,2588 5098.43,2588 ccw(c5098.43,2572) 5098.43,2556 5208.68,2556 cw(c5208.68,2540) 5208.68,2524 5098.43,2524 ccw(c5098.43,2508) 5098.43,2492 5208.68,2492 cw(c5208.68,2476) 5208.68,2460 5098.43,2460 ccw(c5098.43,2444) 5098.43,2428 5208.68,2428 cw(c5208.68,2412) 5208.68,2396 5098.43,2396 ccw(c5098.43,2380) 5098.43,2364 5208.68,2364 cw(c5208.68,2348) 5208.68,2332 5098.43,2332 ccw(c5098.43,2316) 5098.43,2300 5208.68,2300 cw(c5208.68,2284) 5208.68,2268 5098.43,2268 ccw(c5098.43,2252) 5098.43,2236 5208.68,2236 cw(c5208.68,2220) 5208.68,2204 5098.43,2204 ccw(c5098.43,2188) 5098.43,2172 5208.68,2172 cw(c5208.68,2156) 5208.68,2140 5098.43,2140 ccw(c5098.43,2124) 5098.43,2108 5208.68,2108 cw(c5208.68,2092) 5208.68,2076 5098.43,2076 ccw(c5098.43,2060) 5098.43,2044 5208.68,2044 cw(c5208.68,2028) 5208.68,2012 5098.43,2012 ccw(c5098.43,1996) 5098.43,1980 5139,1980 cw(c5139,1964) 5155,1964 5155,1960 5155,1954.69 5150.31,1950 4995,1950 4995,1825 JP1.5
DATA_REF: JP1.16 MIC_REF.1 | length 4208.4
  Top Layer w10: JP1.16 5450,1880 5450,2565 5480.57,2595.57 5520.57,2595.57 5544.09,2619.09 5544.09,2649.94 5544.09,2654.95 ccw(c5527.09,2654.95) 5527.09,2671.95 5475.07,2671.95 cw(c5475.07,2688.95) 5475.07,2705.95 5584.26,2705.95 ccw(c5584.26,2722.95) 5584.26,2739.95 5475.07,2739.95 cw(c5475.07,2756.95) 5475.07,2773.95 5584.26,2773.95 ccw(c5584.26,2790.95) 5584.26,2807.95 5475.07,2807.95 cw(c5475.07,2824.95) 5475.07,2841.95 5584.26,2841.95 ccw(c5584.26,2858.95) 5584.26,2875.95 5475.07,2875.95 cw(c5475.07,2892.95) 5475.07,2909.95 5584.26,2909.95 ccw(c5584.26,2926.95) 5584.26,2943.95 5475.07,2943.95 cw(c5475.07,2960.95) 5475.07,2977.95 5584.26,2977.95 ccw(c5584.26,2994.95) 5584.26,3011.95 5475.07,3011.95 cw(c5475.07,3028.95) 5475.07,3045.95 5584.26,3045.95 ccw(c5584.26,3062.95) 5584.26,3079.95 5475.07,3079.95 cw(c5475.07,3096.95) 5475.07,3113.95 5584.26,3113.95 ccw(c5584.26,3130.95) 5584.26,3147.95 5475.07,3147.95 cw(c5475.07,3164.95) 5475.07,3181.95 5584.26,3181.95 ccw(c5584.26,3198.95) 5584.26,3215.95 5475.07,3215.95 cw(c5475.07,3232.95) 5475.07,3249.95 5584.26,3249.95 ccw(c5584.26,3266.95) 5584.26,3283.95 5475.07,3283.95 cw(c5475.07,3300.95) 5475.07,3317.95 5584.26,3317.95 ccw(c5584.26,3334.95) 5584.26,3351.95 5561.09,3351.95 cw(c5561.09,3368.95) 5544.09,3368.95 5544.09,3415.56 MIC_REF.1
GND: 1.2 C1.2 C2.2 C3.2 C4.2 C5.2 IC1.12 IC1.18 IC1.19 JP1.1 JP1.37 JP1.38 MIC1.4 MIC2.4 MIC3.4 MIC4.4 MIC5.4 MIC6.4 MIC7.4 MIC8.4 MIC_REF.4 V1.1
  other v1: 5760,2040 6600,2040 5580,2160 5700,2160 5820,2160 6540,2160 6660,2160 4680,2280 4800,2280 5520,2280 6600,2280 6720,2280 4500,2400 4740,2400 5700,2400 5820,2400 6540,2400 6660,2400 4440,2520 4560,2520 4680,2520 6600,2520 6720,2520 6840,2520 6960,2520 4500,2640 4620,2640 5820,2640 6060,2640 6180,2640 6300,2640 6420,2640 6780,2640 6900,2640 4200,2760 4320,2760 4440,2760 5760,2760 5880,2760 6120,2760 6360,2760 6960,2760 7080,2760 7200,2760 4140,2880 4260,2880 4380,2880 6060,2880 7020,2880 7140,2880 7260,2880 4080,3000 4200,3000 5760,3000 5880,3000 7200,3000 7320,3000 4020,3120 4140,3120 4620,3120 5220,3120 5820,3120 6060,3120 6780,3120 7260,3120 7380,3120 3960,3240 4080,3240 4560,3240 5160,3240 6120,3240 6720,3240 6840,3240 6960,3240 7200,3240 7320,3240 4020,3360 4140,3360 4620,3360 4740,3360 5100,3360 6060,3360 6540,3360 6780,3360 6900,3360 7260,3360 7380,3360 3960,3480 4080,3480 4560,3480 4680,3480 6720,3480 6840,3480 6960,3480 7200,3480 7320,3480 7440,3480 4140,3600 4620,3600 5220,3600 6300,3600 6420,3600 6540,3600 6660,3600 6900,3600 7260,3600 7500,3600 3960,3720 4080,3720 4560,3720 4680,3720 5160,3720 6480,3720 6600,3720 7200,3720 7320,3720 7440,3720 4020,3840 4140,3840 5100,3840 5220,3840 6540,3840 6660,3840 6780,3840 7260,3840 7380,3840 7500,3840 4080,3960 5040,3960 5160,3960 6600,3960 6720,3960 6840,3960 7080,3960 7200,3960 7320,3960 4020,4080 4140,4080 6660,4080 6780,4080 6900,4080 7020,4080 7260,4080 7380,4080 3960,4200 4080,4200 5520,4200 5640,4200 5760,4200 5880,4200 6600,4200 6720,4200 6840,4200 6960,4200 7080,4200 7200,4200 7320,4200 7440,4200 4020,4320 4140,4320 4860,4320 4980,4320 5100,4320 5220,4320 5460,4320 5580,4320 5820,4320 6060,4320 6780,4320 6900,4320 7260,4320 7380,4320 4080,4440 4920,4440 5040,4440 5160,4440 5280,4440 5400,4440 5520,4440 5640,4440 5760,4440 5880,4440 7200,4440 7320,4440 4140,4560 4260,4560 4860,4560 4980,4560 5100,4560 5340,4560 5460,4560 5580,4560 5820,4560 6060,4560 7140,4560 7260,4560 4200,4680 4320,4680 5040,4680 5280,4680 5400,4680 5520,4680 5640,4680 5760,4680 5880,4680 7080,4680 7200,4680 4260,4800 4500,4800 4860,4800 4980,4800 5220,4800 5340,4800 5460,4800 5580,4800 5820,4800 6060,4800 6180,4800 6660,4800 6900,4800 7140,4800 4440,4920 4560,4920 5040,4920 5160,4920 5280,4920 5400,4920 5520,4920 5640,4920 5880,4920 6000,4920 6120,4920 6240,4920 6360,4920 6480,4920 6840,4920 6960,4920 7080,4920 4500,5040 4740,5040 5940,5040 6060,5040 6180,5040 6300,5040 6420,5040 6660,5040 6900,5040 4680,5160 4800,5160 6600,5160 6840,5160 4740,5280 4860,5280 4980,5280 5100,5280 5220,5280 5340,5280 5460,5280 5580,5280 5700,5280 5820,5280 5940,5280 6060,5280 6180,5280 6300,5280 6420,5280 6540,5280 6660,5280 4920,5400 5040,5400 5160,5400 5280,5400 5400,5400 5520,5400 5640,5400 5760,5400 5880,5400 6000,5400 6120,5400 6240,5400 6360,5400 6480,5400 5220,5520 5340,5520 5700,5520 6060,5520 6180,5520
Net1_1: 1.1 R1.2 | length 84.4
  Top Layer w15: R1.2 1.1
NetIC1_1: IC1.1 LED1.2 | length 1593
  Top Layer w15: IC1.1@5325,3520 5955,3520 6001.29,3473.71 6001.29,2912.5 5928.79,2840 LED1.2
NetIC1_2: IC1.2 LED2.2 | length 1407.6
  Top Layer w15: IC1.2@5327.47,3570 6120,3570 6166.25,3523.75 6166.25,2979.37 LED2.2
NetIC1_3: IC1.3 LED3.2 | length 1316
  Top Layer w15: IC1.3 6176.66,3620 LED3.2
NetIC1_4: IC1.4 LED4.2 | length 1359.4
  Top Layer w15: IC1.4@5314.02,3670 6355,3670 6459.74,3774.74 LED4.2
NetIC1_5: IC1.5 LED5.2 | length 1630.2
  Top Layer w15: IC1.5@5304.02,3720 6330,3720 6500.46,3890.46 6500.46,4239.17 LED5.2
NetIC1_6: IC1.6 LED6.2 | length 1375.5
  Top Layer w15: IC1.6@5312.58,3770 5630,3770 6165,4305 6165,4599.38 LED6.2
NetIC1_7: IC1.7 LED7.2 | length 1257.8
  Top Layer w15: IC1.7@5316.22,3820 5625,3820 5695,3890 LED7.2
NetIC1_8: IC1.8 LED8.2 | length 973.9
  Top Layer w15: LED8.2 5228.75,4621.25 5228.75,4416.25 5490,4155 5490,3991.01 5368.99,3870 IC1.8
NetIC1_9: IC1.9 LED9.2 | length 980.5
  Top Layer w15: LED9.2 4885,4200 5390,4200 5455,4135 5455,4010 5360,3915 IC1.9@5292.36,3915
NetIC1_10: IC1.10 LED10.2 | length 1267.8
  Top Layer w15: LED10.2 4740,3785 4740,4075 4830,4165 5375,4165 5420,4120 5420,4025 5365,3970 IC1.10
NetIC1_11: IC1.11 LED11.2 | length 1574.4
  Top Layer w15: LED11.2 4865.36,3354.64 4785,3435 4785,4070 4845,4130 5355,4130 5385,4100 5385,4050 5356.27,4021.27 5312.19,4021.27 IC1.11@5310.92,4020
NetIC1_13: IC1.13 LED12.2 | length 1352.9
  Top Layer w15: IC1.13 4845,4070 4825,4050 4825,3450 5226.03,3048.97 5226.03,2964.19 LED12.2
NetLED1_1: LED1.1 R2.2 | length 74.4
  Top Layer w15: R2.2 5695,2703.09 5695,2752.5 LED1.1
NetLED2_1: LED2.1 R3.2 | length 80.1
  Top Layer w15: LED2.1 6214.25,2900.13 6241.68,2852.63 R3.2
NetLED3_1: LED3.1 R4.2 | length 74.5
  Top Layer w15: LED3.1 6569.83,3257.96 6612.41,3233.38 R4.2
NetLED4_1: LED4.1 R5.2 | length 73.8
  Top Layer w15: LED4.1 6717.5,3774.8 6766.32,3774.8 R5.2
NetLED5_1: LED5.1 R6.2 | length 73
  Top Layer w15: LED5.1 6586.92,4292.37 6628.46,4316.35 R6.2
NetLED6_1: LED6.1 R7.2 | length 77.4
  Top Layer w15: LED6.1 6212.42,4680.92 6238.6,4726.26 R7.2
NetLED7_1: LED7.1 R13.2 | length 74.4
  Top Layer w15: LED7.1 5695,4827.5 5695,4876.91 R13.2
NetLED8_1: LED8.1 R12.2 | length 76.9
  Top Layer w15: R12.2 5156.42,4746.28 5182.33,4701.4 LED8.1
NetLED9_1: LED9.1 R11.2 | length 76.9
  Top Layer w15: R11.2 4723.72,4308.57 4768.6,4282.66 LED9.1
NetLED10_1: LED10.1 R10.2 | length 74.4
  Top Layer w15: R10.2 4593.09,3775 4642.5,3775 LED10.1
NetLED11_1: LED11.1 R9.2 | length 74.6
  Top Layer w15: R9.2 4747.4,3233.72 4789.97,3258.3 LED11.1
NetLED12_1: LED12.1 R8.2 | length 97.4
  Top Layer w15: R8.2@5147.8,2847.38 R8.2 5151.8,2843.51 5176.3,2885.95 LED12.1 LED12.1@5187.28,2886.86
pads on no net: IC1.14 IC1.15 IC1.16 IC1.17 JP1.7 JP1.8 JP1.9 JP1.10 JP1.15 JP1.17 JP1.18 JP1.19 JP1.21 JP1.22 JP1.23 JP1.24 JP1.25 JP1.26 JP1.27 JP1.28 JP1.29 JP1.30 JP1.31 JP1.32 MIC1.0 MIC2.0 MIC3.0 MIC4.0 MIC5.0 MIC6.0 MIC7.0 MIC8.0 MIC_REF.0

## Polygon pours and split planes (outlines as drawn)
GND on Top Layer "NONET_L-01_P-001" (solid, remove dead copper, pour order 0): 3820,5880 7745,5880 7745,1255 3615,1255
GND on Bottom Layer "NONET_L-01_P-001" (solid, remove dead copper, pour order 1): 3652.72,6005.27 7789.72,6005.27 7789.72,1370.95 3317.46,1370.95

## Other copper
Top Layer:
  pour cut-out: 5945,2615 6380,2615 6380,1950 5945,1950
  pour cut-out: 4925,2765 4865,2705 4850,2705 4850,1890 4875,1865 4925,1915 5230,1915 5230,2620 5195,2655 5060,2655 5060,2760 5065,2765

## Silkscreen, mask and mechanical layers (free items; w line width, h text height)
Top Overlay:
  text "Φ=80mm" at 5340.09,4578.89 h100
  text "Designed by Zeng" at 5340,4477.21 h100
  text "2021.5.11" at 5340,4363.89 h100
Mechanical 1:
  lines w7.87: 4670,2235 4670,1700 6720,1700 6720,2235 ; 4672.08,2233.06 cw(c5695,3775) 6720.26,2234.61

## Text inside footprints (layer, text, board x,y; h text height)
MIC1: Top Overlay "SDM6601" at 5790.91,2324.13 h60 r180
MIC2: Top Overlay "SDM6601" at 6790.04,2815.59 h60 r225
MIC3: Top Overlay "SDM6601" at 7145.87,3870.91 h60 r270
MIC4: Top Overlay "SDM6601" at 6649.41,4870.04 h60 r315
MIC5: Top Overlay "SDM6601" at 5599.09,5225.87 h60
MIC6: Top Overlay "SDM6601" at 4599.96,4729.41 h60 r45
MIC7: Top Overlay "SDM6601" at 4244.13,3679.09 h60 r90
MIC8: Top Overlay "SDM6601" at 4735.59,2684.96 h60 r135
MIC_REF: Top Overlay "SDM6601" at 5599.09,3650.87 h60